# KiCad board d4_small_pcb_panel.kicad_pcb (continued)
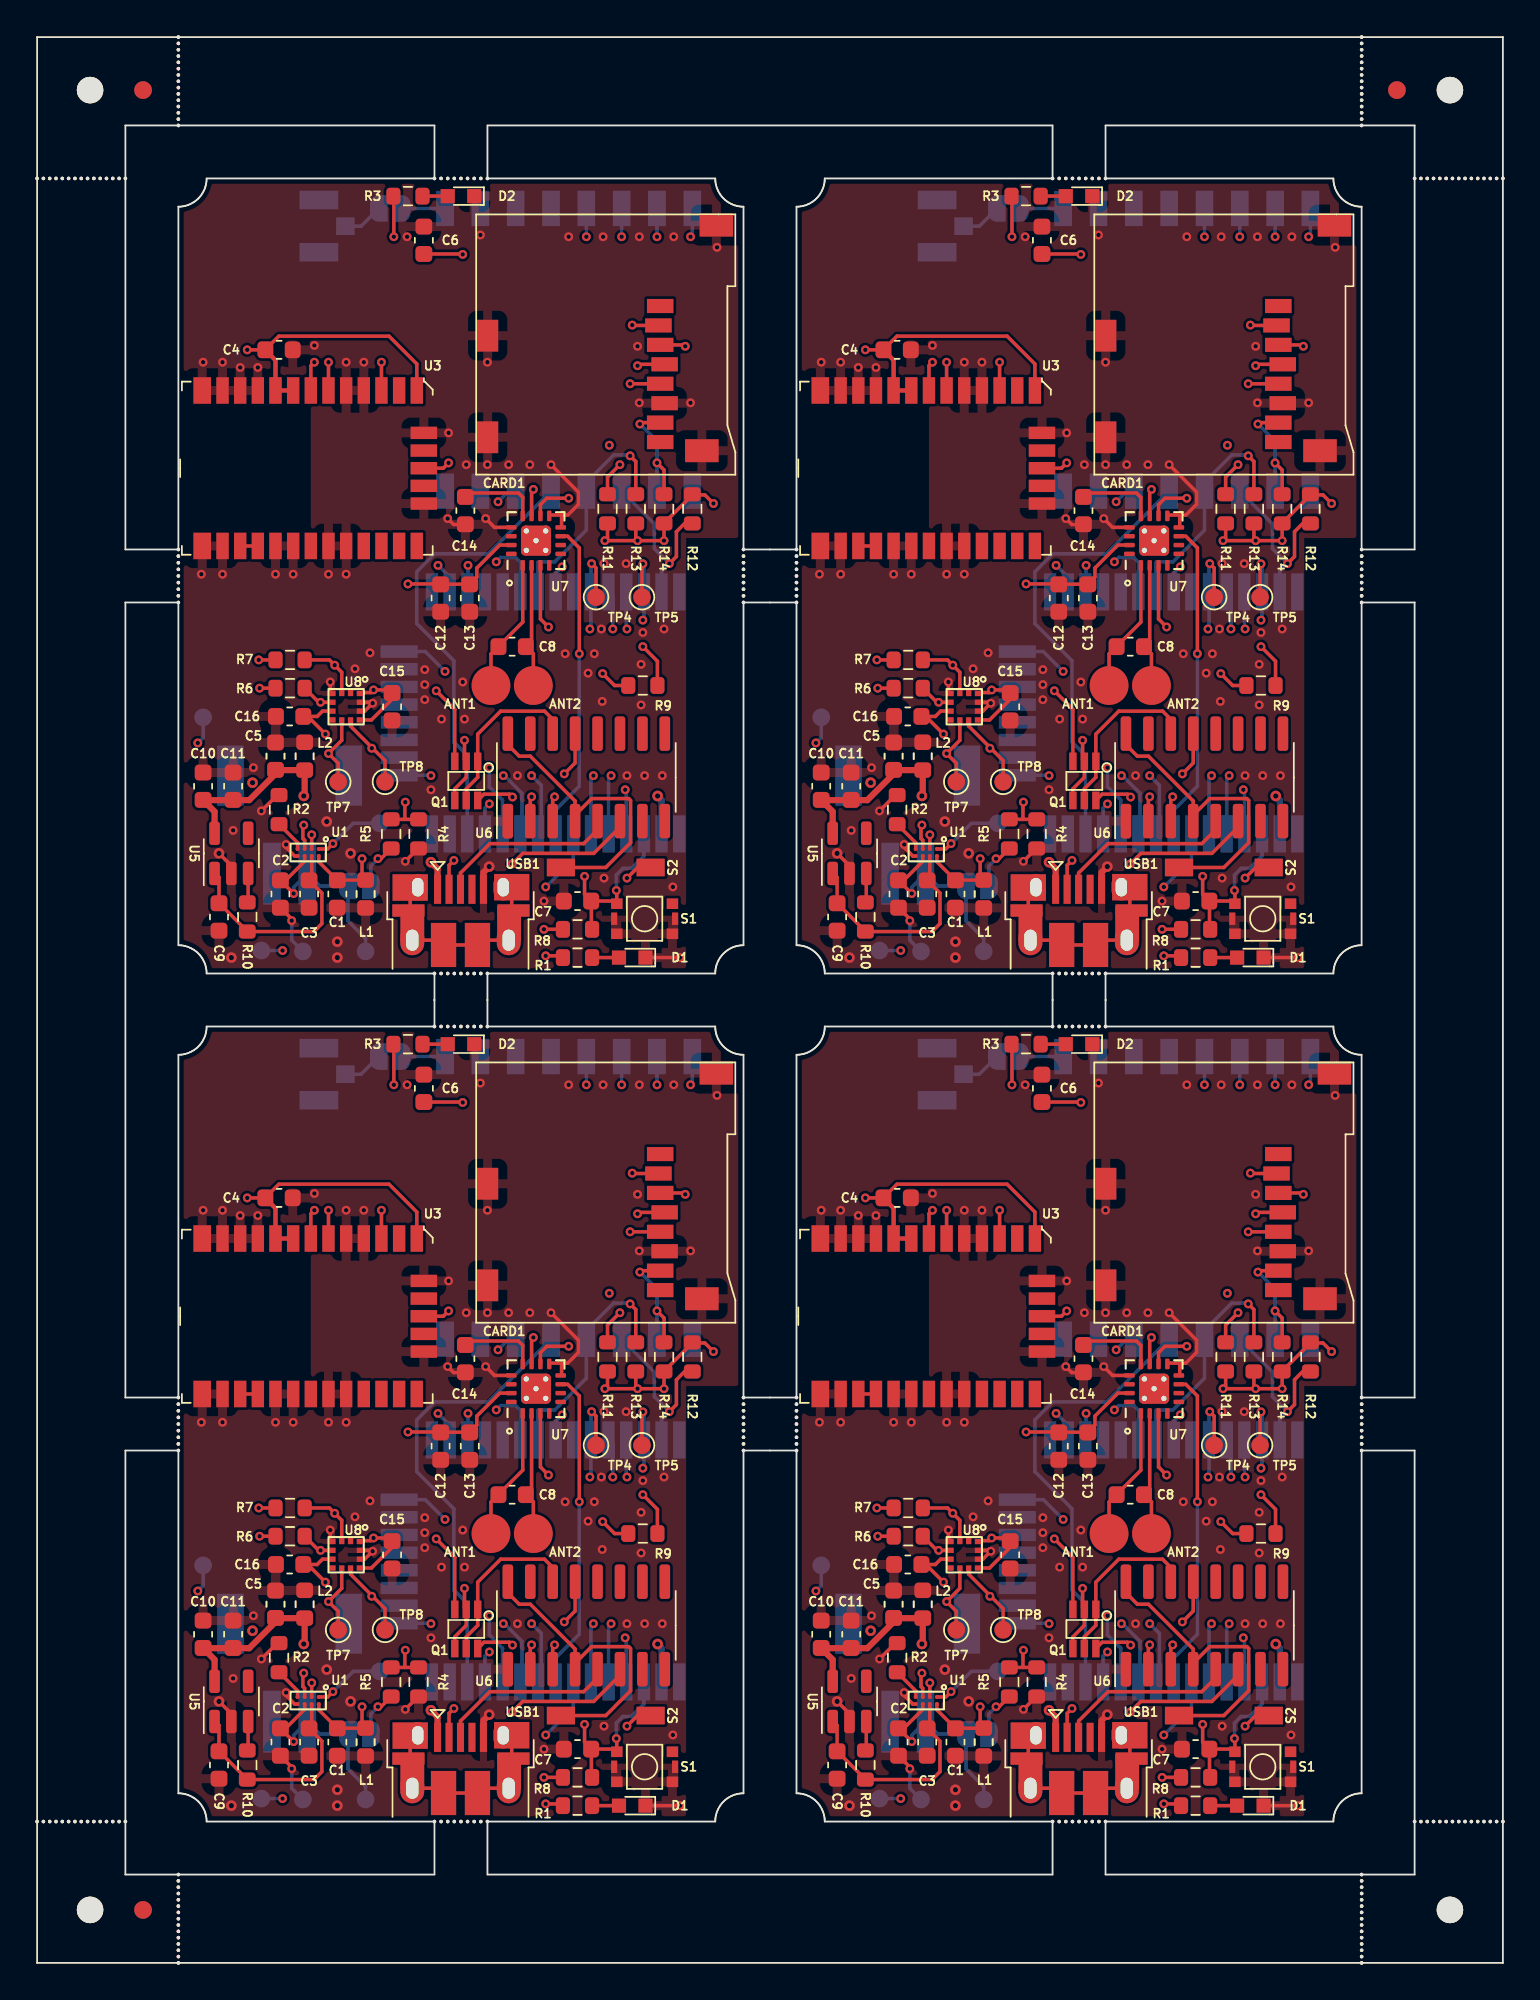
[diagram p0: board, top side]
## Routing (per net, layer and track width the routed paths; a pad name or vN(x,y) marks a point on that pad's centre or on a via; arc(x,y) is an arc through that point) (continued)
Board_0-5: length 44.6
  Top w0.2: v1(15.7,90.6) 15.5,90.4 U3#2.7
  SIG_PWR1 w0.2: v1(32.4,85.9) 32.4,90.23 28.23,94.4 19.5,94.4 v1(15.7,90.6)
  SIG_PWR2 w0.2: v1(26,79.3) 25.25,78.55 24.17,78.55 23.8,78.92 23.8,79.4 26.4,82 29.97,82 32.4,84.43 v1(32.4,85.9)
  Bottom w0.2: v1(26,79.3) 26.25,79.55 27.1,79.55 27.36,79.29 U2#3.29
Board_0-13: length 41.2
  SIG_PWR2 w0.2: v1(33.1,97.7) 34.7,96.1 34.7,86.89 34.55,86.74 34.55,83.95 31.37,80.77 31.37,79.88 29.7,78.21 29.7,75.65 26.05,72 23.42,72 22.3,70.88 v1(22.3,67.2)
  Bottom w0.2: U4.14 v1(33.1,97.7) ; v1(22.3,67.2) 22.28,67.22 U2#3.16
Board_0-14: length 25.5
  Bottom w0.2: U2#3.13 24.36,68.33 23.6,69.09 23.6,73.7 21.5,75.8 21.5,78.74 22.51,79.75 25.55,79.75 U4.5
Board_0-15: length 13.6
  Top w0.2: 28.5,79.05 28.5,76.07 v1(28.96,75.61)
  SIG_PWR2 w0.2: v1(28.96,75.61) 26.01,75.61 23.5,73.1 v1(23.1,73.1)
  Bottom w0.2: U2#3.23 21.98,74.22 v1(23.1,73.1)
Board_0-18: length 19.1
  Top w0.2: 33.9,83.09 33.9,84.98 v1(33.58,85.3) ; CARD1#4.5 v1(33.58,89.38)
  SIG_PWR2 w0.2: v1(33.58,85.3) v1(33.58,89.38)
  Bottom w0.2: U2#3.30 28.36,79.26 28.4,79.3 29.31,79.3 31.1,81.09 U4.4 31.1,83.8 32.65,85.35 33.53,85.35 v1(33.58,85.3)
Board_0-19: length 18.8
  Top w0.2: CARD1#4.7 34.21,87.18 v1(34.13,87.1) ; 35.5,83.09 35.5,84.5 v1(35.1,84.9)
  SIG_PWR2 w0.2: v1(34.13,87.1) 34.13,84.13 29.73,79.73 v1(29.73,79.02)
  Bottom w0.2: v1(34.13,87.1) 35.1,86.13 U4.2 ; v1(29.73,79.02) 29.36,78.64 U2#3.31
Board_0-23: length 24.2
  Top w0.2: v1(35.8,79.2) 36.2,79.6 36.2,81 36.71,81.51 37.1,81.51 ; v1(36.7,91.5) 36.62,91.58 CARD1#4.3
  SIG_PWR2 w0.2: v1(36.7,91.5) 36.5,91.3 36.5,79.9 v1(35.8,79.2)
  Bottom w0.2: U2#3.37 35.36,78.76 v1(35.8,79.2) 34.95,80.05 34.95,81.45 U4.3
Board_0-27: length 12.8
  Top w0.2: 29.81,56.9 29.71,57 v1(28.8,57)
  SIG_PWR1 w0.2: v1(28.8,57) 28.15,57.65 28.15,63.06 v1(25.61,65.6)
  Bottom w0.2: v1(25.61,65.6) 25.36,65.35 U2#3.12
Board_0-32: length 18
  Top w0.2: v1(30.7,74.1) 30.7,80.09 30.04,80.75 29.7,80.75
  Bottom w0.2: U2#3.8 29.36,65.26 30.7,66.6 v1(30.7,74.1)
Board_0-33: length 39.1
  SIG_PWR2 w0.2: v1(28,67.2) 28,73.08 32.8,77.88 32.8,81.1 35.65,83.95 35.65,97.15 v1(35.1,97.7)
  Bottom w0.2: v1(28,67.2) 28.55,66.65 28.55,64.09 U2#3.9 ; U4.15 v1(35.1,97.7)
Board_0-34: length 30.1
  Top w0.2: R9#2.2 35.12,73.67 v1(34.3,74.5)
  SIG_PWR1 w0.2: v1(26.1,82.7) 26.1,80.77 28.67,78.2 32.9,78.2 34.85,76.25 34.85,75.05 v1(34.3,74.5) 31.5,71.7 v1(31.5,67.2)
  Bottom w0.2: U4.6 26.7,83.3 v1(26.1,82.7) ; v1(31.5,67.2) 31.36,67.06 U2#3.6
Board_0-35: length 16.2
  Top w0.2: 20.83,64.72 21.6,64.72 ; 20.83,64.72 20.05,64.72 ; 20.83,64.72 20.83,65.67 v1(20.85,65.7)
  SIG_PWR2 w0.2: v1(28.8,60.9) 28.8,61.08 24.18,65.7 v1(20.85,65.7)
  Bottom w0.2: v1(28.8,60.9) 30.36,62.46 U2#3.7
Board_0-36: length 24.6
  Top w0.2: U1#2.1 16.45,63.05 v1(16.75,63.35)
  SIG_PWR1 w0.2: v1(33.3,66.4) 33.1,66.6 25.83,66.6 22.58,63.35 v1(16.75,63.35)
  Bottom w0.2: v1(33.3,66.4) 33.36,66.34 U2#3.4 ; TP9#3.1 17.9,64.5 v1(16.75,63.35)
Board_0-39: length 37.4
  SIG_PWR2 w0.2: v1(37,97.7) 36.1,96.8 36.1,83.8 34.95,82.65 34.95,73.95 35,73.9 35,69.7 v1(32.5,67.2)
  Bottom w0.2: U4.16 37.1,97.8 v1(37,97.7) ; v1(32.5,67.2) 32.36,67.06 U2#3.5
Board_0-+3.3V: length 11.2
  Top w0.2: C6#3.2 24.07,96.72 v1(24.1,96.7)
  SIG_PWR1 w0.2: v1(31.1,97.7) 30.1,96.7 v1(24.1,96.7)
  Bottom w0.2: U4.13 v1(31.1,97.7)
Board_0-+3V3: length 62.4
  Top w0.2: v1(33.4,61.4) 34,62 S2#4.2 ; v1(12.6,72.15) R6.1 ; v1(16.33,69.55) 15.33,70.55 C16.1 15.86,70.55 16.16,70.85 16.6,70.85 ; 26.8,80.25 26.2,80.25 24.9,78.95 24.9,78.44 24.5,78.04 22.85,78.04 22.84,78.05 v1(21,78.05) ; CARD1#4.4 34.08,90.48 v1(34,90.4) ; U3#2.1 21.5,90.5 19.93,92.07 13.69,92.07 12.91,91.3 v1(11.9,91.3) ; v1(32.03,72.97) 32.7,72.3 R9#2.1 ; 33.9,81.51 33.9,80.6 v1(34,80.5) ; 18.4,71.85 18.45,71.9 18.9,71.9 v1(19.05,72.05) 19.94,72.05 20.1,71.89 20.1,71.52 18.93,70.35 18.4,70.35 ; v1(34,80.5) v1(32.15,80.5) 32.3,80.65 32.3,81.51 ; v1(34,80.5) v1(35.5,80.5) 35.5,81.51 35.53,81.51 37.1,83.09 37.81,83.09 v1(38.3,82.6) ; v1(28.7,58.5) 29.81,58.5 ; v1(12.55,73.75) R7#4.1
  Top w0.25: U3#2.8 U3#2.9 13.5,90.71 12.91,91.3
  Top w0.35: v2(15.1,66.05) 15.15,66.1 L2#4.1 13.51,67.51 C5#2.1 13.5,67.3 12.01,65.81 9.4,65.81 10.05,65.16 10.05,63.9
  Bottom w0.2: v1(9.1,69.05) 9.4,69.35 TP3#3.1
  Bottom w0.35: v2(35.14,66.05) 35.36,65.82 U2#3.2
  vias: v2(12.2,66.8)
Board_0-+5V: length 7.8
  Top w0.2: 17.17,61.28 C1#4.2 ; C1#4.2 15.95,62.33 U1#2.5 ; C1#4.2 17.01,61.29 L1#4.1 18.4,61.49 v1(18.4,62.5)
  Top w0.35: USB1#4.1 22.68,61.92 v2(22.3,62.3)
  Bottom w0.2: v1(13.9,57.3) TP2#4.1
Board_0-+BATT: length 11.4
  Top w0.2: C2#2.2 13.78,61.31 ; C2#2.2 14.08,61.28 15.15,62.35 U1#2.7 ; C2#2.2 v1(14.53,60.53)
  Bottom w0.2: TP6#3.1 18.6,57.98 17.6,58.98 JP1.1 16,60.95 J1.1 14.53,60.88 v1(14.53,60.53)
Board_0-ACC_INT1: length 18.2
  Top w0.2: TP7#3.1 17.05,67.9 v1(16.5,68.45) 17.25,69.2 17.25,70.2
  SIG_PWR1 w0.2: v1(16.5,68.45) 16.9,68.05 23.3,68.05 24.25,67.1 26.3,67.1 v1(26.4,67.2)
  Bottom w0.2: U2#3.10 27.45,63.99 27.45,66.21 26.46,67.2 v1(26.4,67.2)
Board_0-ACC_INT2: length 15.4
  Top w0.2: 17.75,70.2 17.75,70 19.7,68.05 19.7,66.8
  SIG_PWR1 w0.2: v1(18.95,68.75) 23.45,68.75 24.55,67.65 v1(25.61,67.65)
  Bottom w0.2: v1(25.61,67.65) 25.61,66.56 26.36,65.81 U2#3.11
Board_0-ANT: length 2.4
  Bottom w0.2: U4.9 JP2#3.1
Board_0-ANT1: length 7.5
  Top w0.2: ANT1#3.1 25.7,74.09 27.5,75.89 27.5,79.05
Board_0-ANT2: length 7.1
  Top w0.2: 28,79.05 28,74.81 27.69,74.5 28.1,74.09 ANT2#3.1
Board_0-D+: length 10.2
  Top w0.2: 31.74,64.62 31.74,64.14 30.95,63.35 25.64,63.35 23.97,61.69 USB1#4.3
Board_0-D-: length 12.6
  Top w0.2: v1(26.9,62.2) 27.5,62.8 31.52,62.8 33,64.28 U6#4.6 ; USB1#4.2 23.32,62.12 v1(23.6,62.4)
  SIG_PWR1 w0.2: v1(23.6,62.4) 23.8,62.6 26.5,62.6 v1(26.9,62.2)
Board_0-DTR: length 12.7
  Top w0.2: U6#4.13 30.47,67.91 v1(29.85,67.3) ; Q1#3.4 23.65,66.45 24.3,67.1 Q1#3.2 24.2,68.1 v1(24.2,69.2)
  SIG_PWR1 w0.2: v1(29.85,67.3) 28.95,68.2 25.2,68.2 v1(24.2,69.2)
Board_0-GND: length 21.5
  Top w0.2: 24.25,81.41 23.59,81.41 v1(23.25,81.75) ; R2#2.2 13.6,66.1 v1(12.7,65.2) ; 29,81.95 29.71,81.95 ; 29.71,81.95 30.05,81.95 30.65,82.55 30.65,83.25 v1(29.1,84.8) ; 29.71,81.95 29.7,81.94 29.7,81.25 ; v1(14.1,63.3) 14.1,63.13 14.58,62.65 U1#2.8 ; 16.6,71.85 v1(16.6,72.5) ; v1(25.4,81.75) 25.9,81.25 26.8,81.25 ; 18.4,70.85 18.55,70.85 v1(19,71.3) 18.95,71.35 18.4,71.35 ; 11,61.7 11,62.1 v2(10.3,62.8) ; C2#2.1 14.42,59.08 v1(14.42,58.99) ; v1(20.85,62.35) 21.57,63.08 R4.2 ; v1(36.4,56.9) D1.1
  Top w0.35: v2(25.6,62.05) 25.28,61.73 USB1#4.5
  Bottom w0.2: v1(14.42,58.99) 14.42,57.88 TP1#4.1
  vias: v1(9.3,78.6) v1(9.4,90.6) v1(10.5,90.6) v1(10.5,78.6) v1(11.1,64.1) v1(11.5,90.3) v1(12.25,67.65) v1(12.5,90.3) v1(13.5,78.6) v1(14.5,78.6) v1(15.7,91.55) v1(16.5,78.6) v1(17.5,90.6) v1(17.5,78.6) v1(18,73.25) v1(18.5,90.6) v1(18.85,74.15) v1(20.95,97.7) v1(21.95,73.2) v1(21.95,72.35) v1(21.95,71.5) v1(22.3,66.4) v1(22.9,70.4) v1(23.3,86.6) v1(24.1,72.5) v1(24.2,70.4) v1(24.3,84.8) v1(25.1,97.8) v1(25.5,90.6) v1(25.5,84.8) v1(26.7,84.8) v1(27.2,67.2) v1(27.9,84.8) v1(28.7,60.1) v1(29.9,74.1) v1(30.1,97.7) v1(31.2,73) v1(31.55,74.1) v1(31.95,75.5) v1(32,71.4) v1(32.05,97.7) v1(32.1,79.2) v1(32.1,61.4) v1(33.35,79.2) v1(33.4,67.2) v1(34,91.5) v1(34.1,97.7) v1(34.1,88.3) v1(34.2,73.5) v1(34.2,71.2) v1(34.3,75.3) v1(34.4,67.2) v1(35.4,67.2) v1(35.5,75.5) v1(36,60.9) v1(36.05,97.7) v1(37,88.3) v1(38.5,97.1) v2(11,56.9) v2(16.4,64.6) v2(17,57.8) v2(17,56.9) v2(17.75,62.8)
Board_0-Net-(D1-A): length 1.6
  Top w0.2: 31.39,56.9 D1.2
Board_0-Net-(D2-A): length 1.5
  Top w0.2: 21.79,100 D2#2.2
Board_0-Net-(JP1-B): length 2.7
  Top w0.2: R5.1 19.47,62.5 v1(19.3,62.5)
  Bottom w0.2: v1(19.3,62.5) 18.9,62.1 JP1.2
Board_0-Net-(JP2-B): length 2.3
  Bottom w0.2: J2.2 18.35,98.3 JP2#3.2
Board_0-Net-(U1-TS/MR): length 1.8
  Top w0.2: U1#2.4 14.75,63.4 R2#2.1
Board_0-Net-(U3-RF_IN): length 1
  Top w0.2: U3#2.16 U3#2.17
Board_0-Net-(U3-TIMEPULSE): length 21.2
  Top w0.2: v1(23.3,84.9) 23,84.6 U3#2.29 ; v1(20.2,97.7) 20.2,99.99
  SIG_PWR2 w0.2: v1(20.2,97.7) 27.3,90.6 27.3,88.9 v1(23.3,84.9)
Board_0-Net-(U5-EN): length 1.7
  Top w0.2: 11.9,59.99 11.95,60.04 11.95,61.7
Board_0-Net-(U6-V3): length 17.7
  Top w0.2: S2#4.1 32.2,62 33.6,63.4 33.6,65.8 33.5,65.9 31.4,65.9 30.47,64.97 U6#4.4 30.47,65.77 27.93,68.3 27.3,68.3 26.66,68.94 U6#4.16
Board_0-Net-(U7-VCORE): length 4.4
  Top w0.2: 24.25,82.99 24.46,83.2 27.25,83.2 27.5,82.95 27.5,81.95
Board_0-RESET: length 18.1
  Top w0.2: v1(31,61.5) 31,60.49 31.39,60.1 ; 31.39,60.1 31.39,58.5 ; 31.39,60.1 32.68,60.1 32.82,59.95 ; v1(32.8,60.7) 32.82,60.67 32.82,59.95 ; Q1#3.6 25.3,66.15 26.76,66.15 v1(26.92,65.99) ; 32.82,59.95 32.8,59.97
  SIG_PWR2 w0.2: v1(26.92,65.99) 26.92,65.38 30.8,61.5 v1(31,61.5)
  Bottom w0.2: U2#3.3 34.36,62.65 33.66,61.95 33.17,61.95 32.8,61.58 v1(32.8,60.7)
Board_0-RTS: length 9.8
  Top w0.2: U6#4.14 29.19,70.39 28.73,70.85 26.25,70.85 24.95,69.55 Q1#3.1 24.95,67.1 24.3,66.45 Q1#3.5
Board_0-RX0: length 15
  Top w0.2: U6#4.2 27.93,65.92 v1(28,66)
  SIG_PWR2 w0.2: v1(32.6,75.5) 32.6,71 28,66.4 v1(28,66)
  Bottom w0.2: v1(32.6,75.5) 32.6,77.36 U2#3.34
Board_0-SCL: length 82.9
  Top w0.2: v1(30.1,82.9) 28.86,82.9 28.5,82.54 28.5,81.95 ; TP5#2.1 34.25,79.14 v1(34.3,79.19) ; U1#2.2 v1(15.55,63.85) ; 17.25,72 17.25,73.05 v1(16.85,73.45) 16.55,73.75 R7#4.2 ; U3#2.6 v1(16.5,90.6)
  SIG_PWR1 w0.2: v1(34.3,76) 31.09,76 30.04,74.95 18.34,74.95 12.9,69.51 12.9,65.89 14.94,63.85 v1(15.55,63.85) ; v1(16.5,90.6) 16.6,90.6 20,94 28.07,94 31.8,90.27 31.8,81.69 v1(34.3,79.19) 33.76,78.65 31.24,78.65 30.9,78.99 30.9,82.1 v1(30.1,82.9)
  Bottom w0.2: v1(34.3,79.19) 34.36,79.13 U2#3.36 34.36,76.06 v1(34.3,76)
Board_0-SDA: length 67.7
  Top w0.2: v1(19.5,90.6) U3#2.3 ; R6.2 15.95,71.35 16.6,71.35 ; TP4#3.1 31.65,78.95 v1(31.4,79.2) ; 28,81.95 28,83.3 v1(28.1,83.4) ; v1(15.1,64.4) 15.05,64.35 15.05,63.64 15.15,63.54 U1#2.3
  SIG_PWR1 w0.2: v1(31.3,75.5) 30.4,74.6 20.65,74.6 15.7,69.65 ; v1(15.1,64.4) 13.5,66 13.5,67.45 15.7,69.65 ; 31.4,82.95 31.4,90.1 27.9,93.6 22.6,93.6 19.6,90.6 v1(19.5,90.6) ; 31.4,82.95 30.95,83.4 v1(28.1,83.4) ; 31.4,82.95 v1(31.4,79.2) ; 15.7,69.65 16.05,70 v1(16.05,71.35)
  Bottom w0.2: v1(31.3,75.5) 31.36,75.56 U2#3.33 31.36,79.16 v1(31.4,79.2)
Board_0-TX0: length 14.7
  Top w0.2: v1(29.3,66) 29.19,65.9 U6#4.3
  SIG_PWR2 w0.2: v1(29.3,66) 33.4,70.1 v1(33.4,75.5)
  Bottom w0.2: v1(33.4,75.5) 33.36,75.54 U2#3.35
Board_0-unconnected-(USB1-Shield-Pad6): length 8.4
  Top w0.2: USB1#4.6 22.75,57.89 USB1#4.6 USB1#4.6 25.21,57.89 USB1#4.6 ; USB1#4.6 21.12,59.67 USB1#4.6 ; USB1#4.6 26.88,59.67 USB1#4.6
Board_0-VCC: length 12.7
  Top w0.2: 10.05,61.7 10.3,61.45 10.3,59.99 11.88,58.41 ; U1#2.6 15.55,61.42 C3#2.1 16.12,60.55 16.12,58.83 15.67,58.38 R10#2.2 ; 11.9,58.41 11.91,58.4
Board_1-0: length 13.3
  Top w0.2: Q1#4.3 58.65,70.95 v1(57.6,72)
  SIG_PWR2 w0.2: v1(57.7,79.1) 57.6,79 v1(57.6,72)
  Bottom w0.2: U2.25 58.36,78.44 v1(57.7,79.1)
Board_1-4: length 24.4
  Top w0.2: v1(68,84.8) 67.3,84.1 67.3,83.09 ; v1(68.7,92.7) 68.72,92.68 CARD1.2
  SIG_PWR2 w0.2: v1(68.7,92.7) 68.03,92.03 68.03,84.5 65.13,81.6 61.9,81.6 v1(59.4,79.1)
  Bottom w0.2: v1(59.4,79.1) 59.4,77.64 U2.26
Board_1-5: length 44.6
  Top w0.2: v1(50.7,90.6) 50.5,90.4 U3.7
  SIG_PWR1 w0.2: v1(67.4,85.9) 67.4,90.23 63.23,94.4 54.5,94.4 v1(50.7,90.6)
  SIG_PWR2 w0.2: v1(67.4,85.9) 67.4,84.43 64.97,82 61.4,82 58.8,79.4 58.8,78.92 59.17,78.55 60.25,78.55 v1(61,79.3)
  Bottom w0.2: v1(61,79.3) 61.25,79.55 62.1,79.55 62.36,79.29 U2.29
Board_1-13: length 41.2
  SIG_PWR2 w0.2: v1(68.1,97.7) 69.7,96.1 69.7,86.89 69.55,86.74 69.55,83.95 66.37,80.77 66.37,79.88 64.7,78.21 64.7,75.65 61.05,72 58.42,72 57.3,70.88 v1(57.3,67.2)
  Bottom w0.2: U2.16 57.28,67.22 v1(57.3,67.2) ; U4#4.14 v1(68.1,97.7)
Board_1-14: length 25.5
  Bottom w0.2: U4#4.5 60.55,79.75 57.51,79.75 56.5,78.74 56.5,75.8 58.6,73.7 58.6,69.09 59.36,68.33 U2.13
Board_1-15: length 13.6
  Top w0.2: 63.5,79.05 63.5,76.07 v1(63.96,75.61)
  SIG_PWR2 w0.2: v1(58.1,73.1) 58.5,73.1 61.01,75.61 v1(63.96,75.61)
  Bottom w0.2: U2.23 56.98,74.22 v1(58.1,73.1)
Board_1-18: length 19.1
  Top w0.2: 68.9,83.09 68.9,84.98 v1(68.58,85.3) ; CARD1.5 v1(68.58,89.38)
  SIG_PWR2 w0.2: v1(68.58,85.3) v1(68.58,89.38)
  Bottom w0.2: U2.30 63.36,79.26 63.4,79.3 64.31,79.3 66.1,81.09 U4#4.4 66.1,83.8 67.65,85.35 68.53,85.35 v1(68.58,85.3)
Board_1-19: length 18.8
  Top w0.2: v1(69.13,87.1) 69.21,87.18 CARD1.7 ; 70.5,83.09 70.5,84.5 v1(70.1,84.9)
  SIG_PWR2 w0.2: v1(64.73,79.02) 64.73,79.73 69.13,84.13 v1(69.13,87.1)
  Bottom w0.2: v1(64.73,79.02) 64.36,78.64 U2.31 ; U4#4.2 70.1,86.13 v1(69.13,87.1)
Board_1-23: length 24.2
  Top w0.2: v1(71.7,91.5) 71.62,91.58 CARD1.3 ; 72.1,81.51 71.71,81.51 71.2,81 71.2,79.6 v1(70.8,79.2)
  SIG_PWR2 w0.2: v1(71.7,91.5) 71.5,91.3 71.5,79.9 v1(70.8,79.2)
  Bottom w0.2: U2.37 70.36,78.76 v1(70.8,79.2) 69.95,80.05 69.95,81.45 U4#4.3
Board_1-27: length 12.8
  Top w0.2: v1(63.8,57) 64.71,57 64.81,56.9
  SIG_PWR1 w0.2: v1(63.8,57) 63.15,57.65 63.15,63.06 v1(60.61,65.6)
  Bottom w0.2: U2.12 60.36,65.35 v1(60.61,65.6)
Board_1-32: length 18
  Top w0.2: 64.7,80.75 65.04,80.75 65.7,80.09 v1(65.7,74.1)
  Bottom w0.2: v1(65.7,74.1) 65.7,66.6 64.36,65.26 U2.8
Board_1-33: length 39.1
  SIG_PWR2 w0.2: v1(70.1,97.7) 70.65,97.15 70.65,83.95 67.8,81.1 67.8,77.88 63,73.08 v1(63,67.2)
  Bottom w0.2: U4#4.15 v1(70.1,97.7) ; v1(63,67.2) 63.55,66.65 63.55,64.09 U2.9
Board_1-34: length 30.1
  Top w0.2: R9#4.2 70.12,73.67 v1(69.3,74.5)
  SIG_PWR1 w0.2: v1(61.1,82.7) 61.1,80.77 63.67,78.2 67.9,78.2 69.85,76.25 69.85,75.05 v1(69.3,74.5) 66.5,71.7 v1(66.5,67.2)
  Bottom w0.2: v1(61.1,82.7) 61.7,83.3 U4#4.6 ; v1(66.5,67.2) 66.36,67.06 U2.6
Board_1-35: length 16.2
  Top w0.2: v1(55.85,65.7) 55.82,65.67 55.82,64.72 ; 55.05,64.72 55.82,64.72 ; 55.82,64.72 56.6,64.72
  SIG_PWR2 w0.2: v1(63.8,60.9) 63.8,61.08 59.18,65.7 v1(55.85,65.7)
  Bottom w0.2: U2.7 65.36,62.46 v1(63.8,60.9)
Board_1-36: length 24.6
  Top w0.2: v1(51.75,63.35) 51.45,63.05 U1#3.1
  SIG_PWR1 w0.2: v1(68.3,66.4) 68.1,66.6 60.83,66.6 57.58,63.35 v1(51.75,63.35)
  Bottom w0.2: v1(51.75,63.35) 52.9,64.5 TP9.1 ; v1(68.3,66.4) 68.36,66.34 U2.4
Board_1-39: length 37.4
  SIG_PWR2 w0.2: v1(72,97.7) 71.1,96.8 71.1,83.8 69.95,82.65 69.95,73.95 70,73.9 70,69.7 v1(67.5,67.2)
  Bottom w0.2: U2.5 67.36,67.06 v1(67.5,67.2) ; v1(72,97.7) 72.1,97.8 U4#4.16
Board_1-+3.3V: length 11.2
  Top w0.2: v1(59.1,96.7) 59.07,96.72 C6.2
  SIG_PWR1 w0.2: v1(59.1,96.7) 65.1,96.7 v1(66.1,97.7)
  Bottom w0.2: U4#4.13 v1(66.1,97.7)
Board_1-+3V3: length 62.4
  Top w0.2: S2#3.2 69,62 v1(68.4,61.4) ; 68.9,81.51 68.9,80.6 v1(69,80.5) ; 53.4,70.35 53.93,70.35 55.1,71.52 55.1,71.89 54.94,72.05 v1(54.05,72.05) 53.9,71.9 53.45,71.9 53.4,71.85 ; v1(47.6,72.15) R6#4.1 ; CARD1.4 69.08,90.48 v1(69,90.4) ; R9#4.1 67.7,72.3 v1(67.03,72.97) ; v1(46.9,91.3) 47.91,91.3 48.69,92.07 54.93,92.07 56.5,90.5 U3.1 ; v1(63.7,58.5) 64.81,58.5 ; v1(69,80.5) v1(70.5,80.5) 70.5,81.51 70.53,81.51 72.1,83.09 72.81,83.09 v1(73.3,82.6) ; v1(69,80.5) v1(67.15,80.5) 67.3,80.65 67.3,81.51 ; 61.8,80.25 61.2,80.25 59.9,78.95 59.9,78.44 59.5,78.04 57.85,78.04 57.84,78.05 v1(56,78.05) ; v1(51.32,69.55) 50.32,70.55 C16#4.1 50.86,70.55 51.16,70.85 51.6,70.85 ; v1(47.55,73.75) R7#2.1
  Top w0.25: 47.91,91.3 48.5,90.71 U3.9 U3.8
  Top w0.35: 45.05,63.9 45.05,65.16 44.4,65.81 47.01,65.81 48.5,67.3 C5#3.1 48.51,67.51 L2.1 50.15,66.1 v2(50.1,66.05)
  Bottom w0.2: TP3#2.1 44.4,69.35 v1(44.1,69.05)
  Bottom w0.35: U2.2 70.36,65.82 v2(70.14,66.05)
  vias: v2(47.2,66.8)
Board_1-+5V: length 7.8
  Top w0.2: C1.2 52.01,61.29 L1.1 53.4,61.49 v1(53.4,62.5) ; C1.2 52.18,61.28 ; C1.2 50.95,62.33 U1#3.5
  Top w0.35: USB1#3.1 57.68,61.92 v2(57.3,62.3)
  Bottom w0.2: v1(48.9,57.3) TP2#3.1
Board_1-+BATT: length 11.4
  Top w0.2: C2.2 48.78,61.31 ; C2.2 49.07,61.28 50.15,62.35 U1#3.7 ; C2.2 v1(49.53,60.53)
  Bottom w0.2: v1(49.53,60.53) 49.53,60.88 J1#3.1 51,60.95 JP1#3.1 52.6,58.98 53.6,57.98 TP6.1
Board_1-ACC_INT1: length 18.2
  Top w0.2: 52.25,70.2 52.25,69.2 v1(51.5,68.45) 52.05,67.9 TP7#4.1
  SIG_PWR1 w0.2: v1(51.5,68.45) 51.9,68.05 58.3,68.05 59.25,67.1 61.3,67.1 v1(61.4,67.2)
  Bottom w0.2: U2.10 62.45,63.99 62.45,66.21 61.46,67.2 v1(61.4,67.2)
Board_1-ACC_INT2: length 15.4
  Top w0.2: 54.7,66.8 54.7,68.05 52.75,70 52.75,70.2
  SIG_PWR1 w0.2: v1(60.61,67.65) 59.55,67.65 58.45,68.75 v1(53.95,68.75)
  Bottom w0.2: v1(60.61,67.65) 60.61,66.56 61.36,65.81 U2.11
Board_1-ANT: length 2.4
  Bottom w0.2: U4#4.9 JP2#2.1
Board_1-ANT1: length 7.5
  Top w0.2: ANT1.1 60.7,74.09 62.5,75.89 62.5,79.05
Board_1-ANT2: length 7.1
  Top w0.2: ANT2#4.1 63.1,74.09 62.69,74.5 63,74.81 63,79.05
Board_1-D+: length 10.2
  Top w0.2: 66.74,64.62 66.74,64.14 65.95,63.35 60.64,63.35 58.97,61.69 USB1#3.3
Board_1-D-: length 12.6
  Top w0.2: U6.6 68,64.28 66.52,62.8 62.5,62.8 v1(61.9,62.2) ; USB1#3.2 58.32,62.12 v1(58.6,62.4)
  SIG_PWR1 w0.2: v1(58.6,62.4) 58.8,62.6 61.5,62.6 v1(61.9,62.2)
Board_1-DTR: length 12.7
  Top w0.2: Q1#4.4 58.65,66.45 59.3,67.1 Q1#4.2 59.2,68.1 v1(59.2,69.2) ; v1(64.85,67.3) 65.47,67.91 U6.13
  SIG_PWR1 w0.2: v1(64.85,67.3) 63.95,68.2 60.2,68.2 v1(59.2,69.2)
Board_1-GND: length 21.5
  Top w0.2: v1(60.4,81.75) 60.9,81.25 61.8,81.25 ; 53.4,70.85 53.55,70.85 v1(54,71.3) 53.95,71.35 53.4,71.35 ; v1(55.85,62.35) 56.57,63.08 R4#2.2 ; v1(64.1,84.8) 65.65,83.25 65.65,82.55 65.05,81.95 64.71,81.95 ; v1(47.7,65.2) 48.6,66.1 R2.2 ; 64,81.95 64.71,81.95 ; 64.71,81.95 64.7,81.94 64.7,81.25 ; 59.25,81.41 58.59,81.41 v1(58.25,81.75) ; v1(49.42,58.99) 49.42,59.08 C2.1 ; v1(71.4,56.9) D1#3.1 ; 46,61.7 46,62.1 v2(45.3,62.8) ; v1(49.1,63.3) 49.1,63.13 49.58,62.65 U1#3.8 ; 51.6,71.85 v1(51.6,72.5)
  Top w0.35: v2(60.6,62.05) 60.28,61.73 USB1#3.5
  Bottom w0.2: TP1#3.1 49.42,57.88 v1(49.42,58.99)
  vias: v1(44.3,78.6) v1(44.4,90.6) v1(45.5,90.6) v1(45.5,78.6) v1(46.1,64.1) v1(46.5,90.3) v1(47.25,67.65) v1(47.5,90.3) v1(48.5,78.6) v1(49.5,78.6) v1(50.7,91.55) v1(51.5,78.6) v1(52.5,90.6) v1(52.5,78.6) v1(53,73.25) v1(53.5,90.6) v1(53.85,74.15) v1(55.95,97.7) v1(56.95,73.2) v1(56.95,72.35) v1(56.95,71.5) v1(57.3,66.4) v1(57.9,70.4) v1(58.3,86.6) v1(59.1,72.5) v1(59.2,70.4) v1(59.3,84.8) v1(60.1,97.8) v1(60.5,90.6) v1(60.5,84.8) v1(61.7,84.8) v1(62.2,67.2) v1(62.9,84.8) v1(63.7,60.1) v1(64.9,74.1) v1(65.1,97.7) v1(66.2,73) v1(66.55,74.1) v1(66.95,75.5) v1(67,71.4) v1(67.05,97.7) v1(67.1,79.2) v1(67.1,61.4) v1(68.35,79.2) v1(68.4,67.2) v1(69,91.5) v1(69.1,97.7) v1(69.1,88.3) v1(69.2,73.5) v1(69.2,71.2) v1(69.3,75.3) v1(69.4,67.2) v1(70.4,67.2) v1(70.5,75.5) v1(71,60.9) v1(71.05,97.7) v1(72,88.3) v1(73.5,97.1) v2(46,56.9) v2(51.4,64.6) v2(52,57.8) v2(52,56.9) v2(52.75,62.8)
Board_1-Net-(D1-A): length 1.6
  Top w0.2: 66.39,56.9 D1#3.2
Board_1-Net-(D2-A): length 1.5
  Top w0.2: 56.79,100 D2#4.2
Board_1-Net-(JP1-B): length 2.7
  Top w0.2: v1(54.3,62.5) 54.47,62.5 R5#2.1
  Bottom w0.2: JP1#3.2 53.9,62.1 v1(54.3,62.5)
Board_1-Net-(JP2-B): length 2.3
  Bottom w0.2: J2#4.2 53.35,98.3 JP2#2.2
Board_1-Net-(U1-TS/MR): length 1.8
  Top w0.2: R2.1 49.75,63.4 U1#3.4
Board_1-Net-(U3-RF_IN): length 1
  Top w0.2: U3.16 U3.17
Board_1-Net-(U3-TIMEPULSE): length 21.2
  Top w0.2: v1(58.3,84.9) 58,84.6 U3.29 ; v1(55.2,97.7) 55.2,99.99
  SIG_PWR2 w0.2: v1(58.3,84.9) 62.3,88.9 62.3,90.6 v1(55.2,97.7)
Board_1-Net-(U5-EN): length 1.7
  Top w0.2: 46.9,59.99 46.95,60.04 46.95,61.7
Board_1-Net-(U6-V3): length 17.7
  Top w0.2: U6.16 61.66,68.94 62.3,68.3 62.93,68.3 65.47,65.77 U6.4 65.47,64.97 66.4,65.9 68.5,65.9 68.6,65.8 68.6,63.4 67.2,62 S2#3.1
Board_1-Net-(U7-VCORE): length 4.4
  Top w0.2: 59.25,82.99 59.46,83.2 62.25,83.2 62.5,82.95 62.5,81.95
Board_1-RESET: length 18.1
  Top w0.2: 67.82,59.95 67.68,60.1 66.39,60.1 ; 67.82,59.95 67.82,60.67 v1(67.8,60.7) ; 67.82,59.95 67.8,59.97 ; v1(61.92,65.99) 61.76,66.15 60.3,66.15 Q1#4.6 ; 66.39,60.1 66,60.49 v1(66,61.5) ; 66.39,60.1 66.39,58.5
  SIG_PWR2 w0.2: v1(61.92,65.99) 61.92,65.38 65.8,61.5 v1(66,61.5)
  Bottom w0.2: U2.3 69.36,62.65 68.66,61.95 68.17,61.95 67.8,61.58 v1(67.8,60.7)
Board_1-RTS: length 9.8
  Top w0.2: U6.14 64.19,70.39 63.73,70.85 61.25,70.85 59.95,69.55 Q1#4.1 59.95,67.1 59.3,66.45 Q1#4.5
Board_1-RX0: length 15
  Top w0.2: v1(63,66) 62.93,65.92 U6.2
  SIG_PWR2 w0.2: v1(67.6,75.5) 67.6,71 63,66.4 v1(63,66)
  Bottom w0.2: v1(67.6,75.5) 67.6,77.36 U2.34
Board_1-SCL: length 82.9
  Top w0.2: 63.5,81.95 63.5,82.54 63.86,82.9 v1(65.1,82.9) ; TP5#4.1 69.25,79.14 v1(69.3,79.19) ; R7#2.2 51.55,73.75 v1(51.85,73.45) 52.25,73.05 52.25,72 ; U3.6 v1(51.5,90.6) ; U1#3.2 v1(50.55,63.85)
  SIG_PWR1 w0.2: v1(69.3,76) 66.09,76 65.04,74.95 53.34,74.95 47.9,69.51 47.9,65.89 49.94,63.85 v1(50.55,63.85) ; v1(51.5,90.6) 51.6,90.6 55,94 63.07,94 66.8,90.27 66.8,81.69 v1(69.3,79.19) 68.76,78.65 66.24,78.65 65.9,78.99 65.9,82.1 v1(65.1,82.9)
  Bottom w0.2: v1(69.3,76) 69.36,76.06 U2.36 69.36,79.13 v1(69.3,79.19)
Board_1-SDA: length 67.7
  Top w0.2: v1(63.1,83.4) 63,83.3 63,81.95 ; R6#4.2 50.95,71.35 51.6,71.35 ; U1#3.3 50.15,63.54 50.05,63.64 50.05,64.35 v1(50.1,64.4) ; v1(54.5,90.6) U3.3 ; v1(66.4,79.2) 66.65,78.95 TP4#4.1
  SIG_PWR1 w0.2: 66.4,82.95 65.95,83.4 v1(63.1,83.4) ; 66.4,82.95 v1(66.4,79.2) ; 66.4,82.95 66.4,90.1 62.9,93.6 57.6,93.6 54.6,90.6 v1(54.5,90.6) ; 50.7,69.65 51.05,70 v1(51.05,71.35) ; 50.7,69.65 55.65,74.6 65.4,74.6 v1(66.3,75.5) ; 50.7,69.65 48.5,67.45 48.5,66 v1(50.1,64.4)
  Bottom w0.2: v1(66.3,75.5) 66.36,75.56 U2.33 66.36,79.16 v1(66.4,79.2)
Board_1-TX0: length 14.7
  Top w0.2: v1(64.3,66) 64.19,65.9 U6.3
  SIG_PWR2 w0.2: v1(68.4,75.5) 68.4,70.1 v1(64.3,66)
  Bottom w0.2: v1(68.4,75.5) 68.36,75.54 U2.35
Board_1-unconnected-(USB1-Shield-Pad6): length 8.4
  Top w0.2: USB1#3.6 61.88,59.67 USB1#3.6 ; USB1#3.6 56.12,59.67 USB1#3.6 ; USB1#3.6 60.21,57.89 USB1#3.6 USB1#3.6 57.75,57.89 USB1#3.6
Board_1-VCC: length 12.7
  Top w0.2: U1#3.6 50.55,61.42 C3#3.1 51.12,60.55 51.12,58.83 50.68,58.38 R10.2 ; 45.05,61.7 45.3,61.45 45.3,59.99 46.88,58.41 ; 46.9,58.41 46.91,58.4
Board_2-0: length 13.3
  Top w0.2: 23.65,20 23.65,22.95 v1(22.6,24)
  SIG_PWR2 w0.2: v1(22.6,24) 22.6,31 v1(22.7,31.1)
  Bottom w0.2: U2#4.25 23.36,30.44 v1(22.7,31.1)
Board_2-4: length 24.4
  Top w0.2: v1(33.7,44.7) 33.72,44.68 CARD1#3.2 ; 32.3,35.09 32.3,36.1 v1(33,36.8)
  SIG_PWR2 w0.2: v1(24.4,31.1) 26.9,33.6 30.13,33.6 33.03,36.5 33.03,44.03 v1(33.7,44.7)
  Bottom w0.2: U2#4.26 24.4,29.64 v1(24.4,31.1)
Board_2-5: length 44.6
  Top w0.2: U3#3.7 15.5,42.4 v1(15.7,42.6)
  SIG_PWR1 w0.2: v1(32.4,37.9) 32.4,42.23 28.23,46.4 19.5,46.4 v1(15.7,42.6)
  SIG_PWR2 w0.2: v1(26,31.3) 25.25,30.55 24.17,30.55 23.8,30.92 23.8,31.4 26.4,34 29.97,34 32.4,36.43 v1(32.4,37.9)
  Bottom w0.2: v1(26,31.3) 26.25,31.55 27.1,31.55 27.36,31.29 U2#4.29
Board_2-13: length 41.2
  SIG_PWR2 w0.2: v1(33.1,49.7) 34.7,48.1 34.7,38.89 34.55,38.74 34.55,35.95 31.37,32.77 31.37,31.88 29.7,30.21 29.7,27.65 26.05,24 23.42,24 22.3,22.88 v1(22.3,19.2)